# KiCad board MissionOrderFile.kicad_pcb (continued)
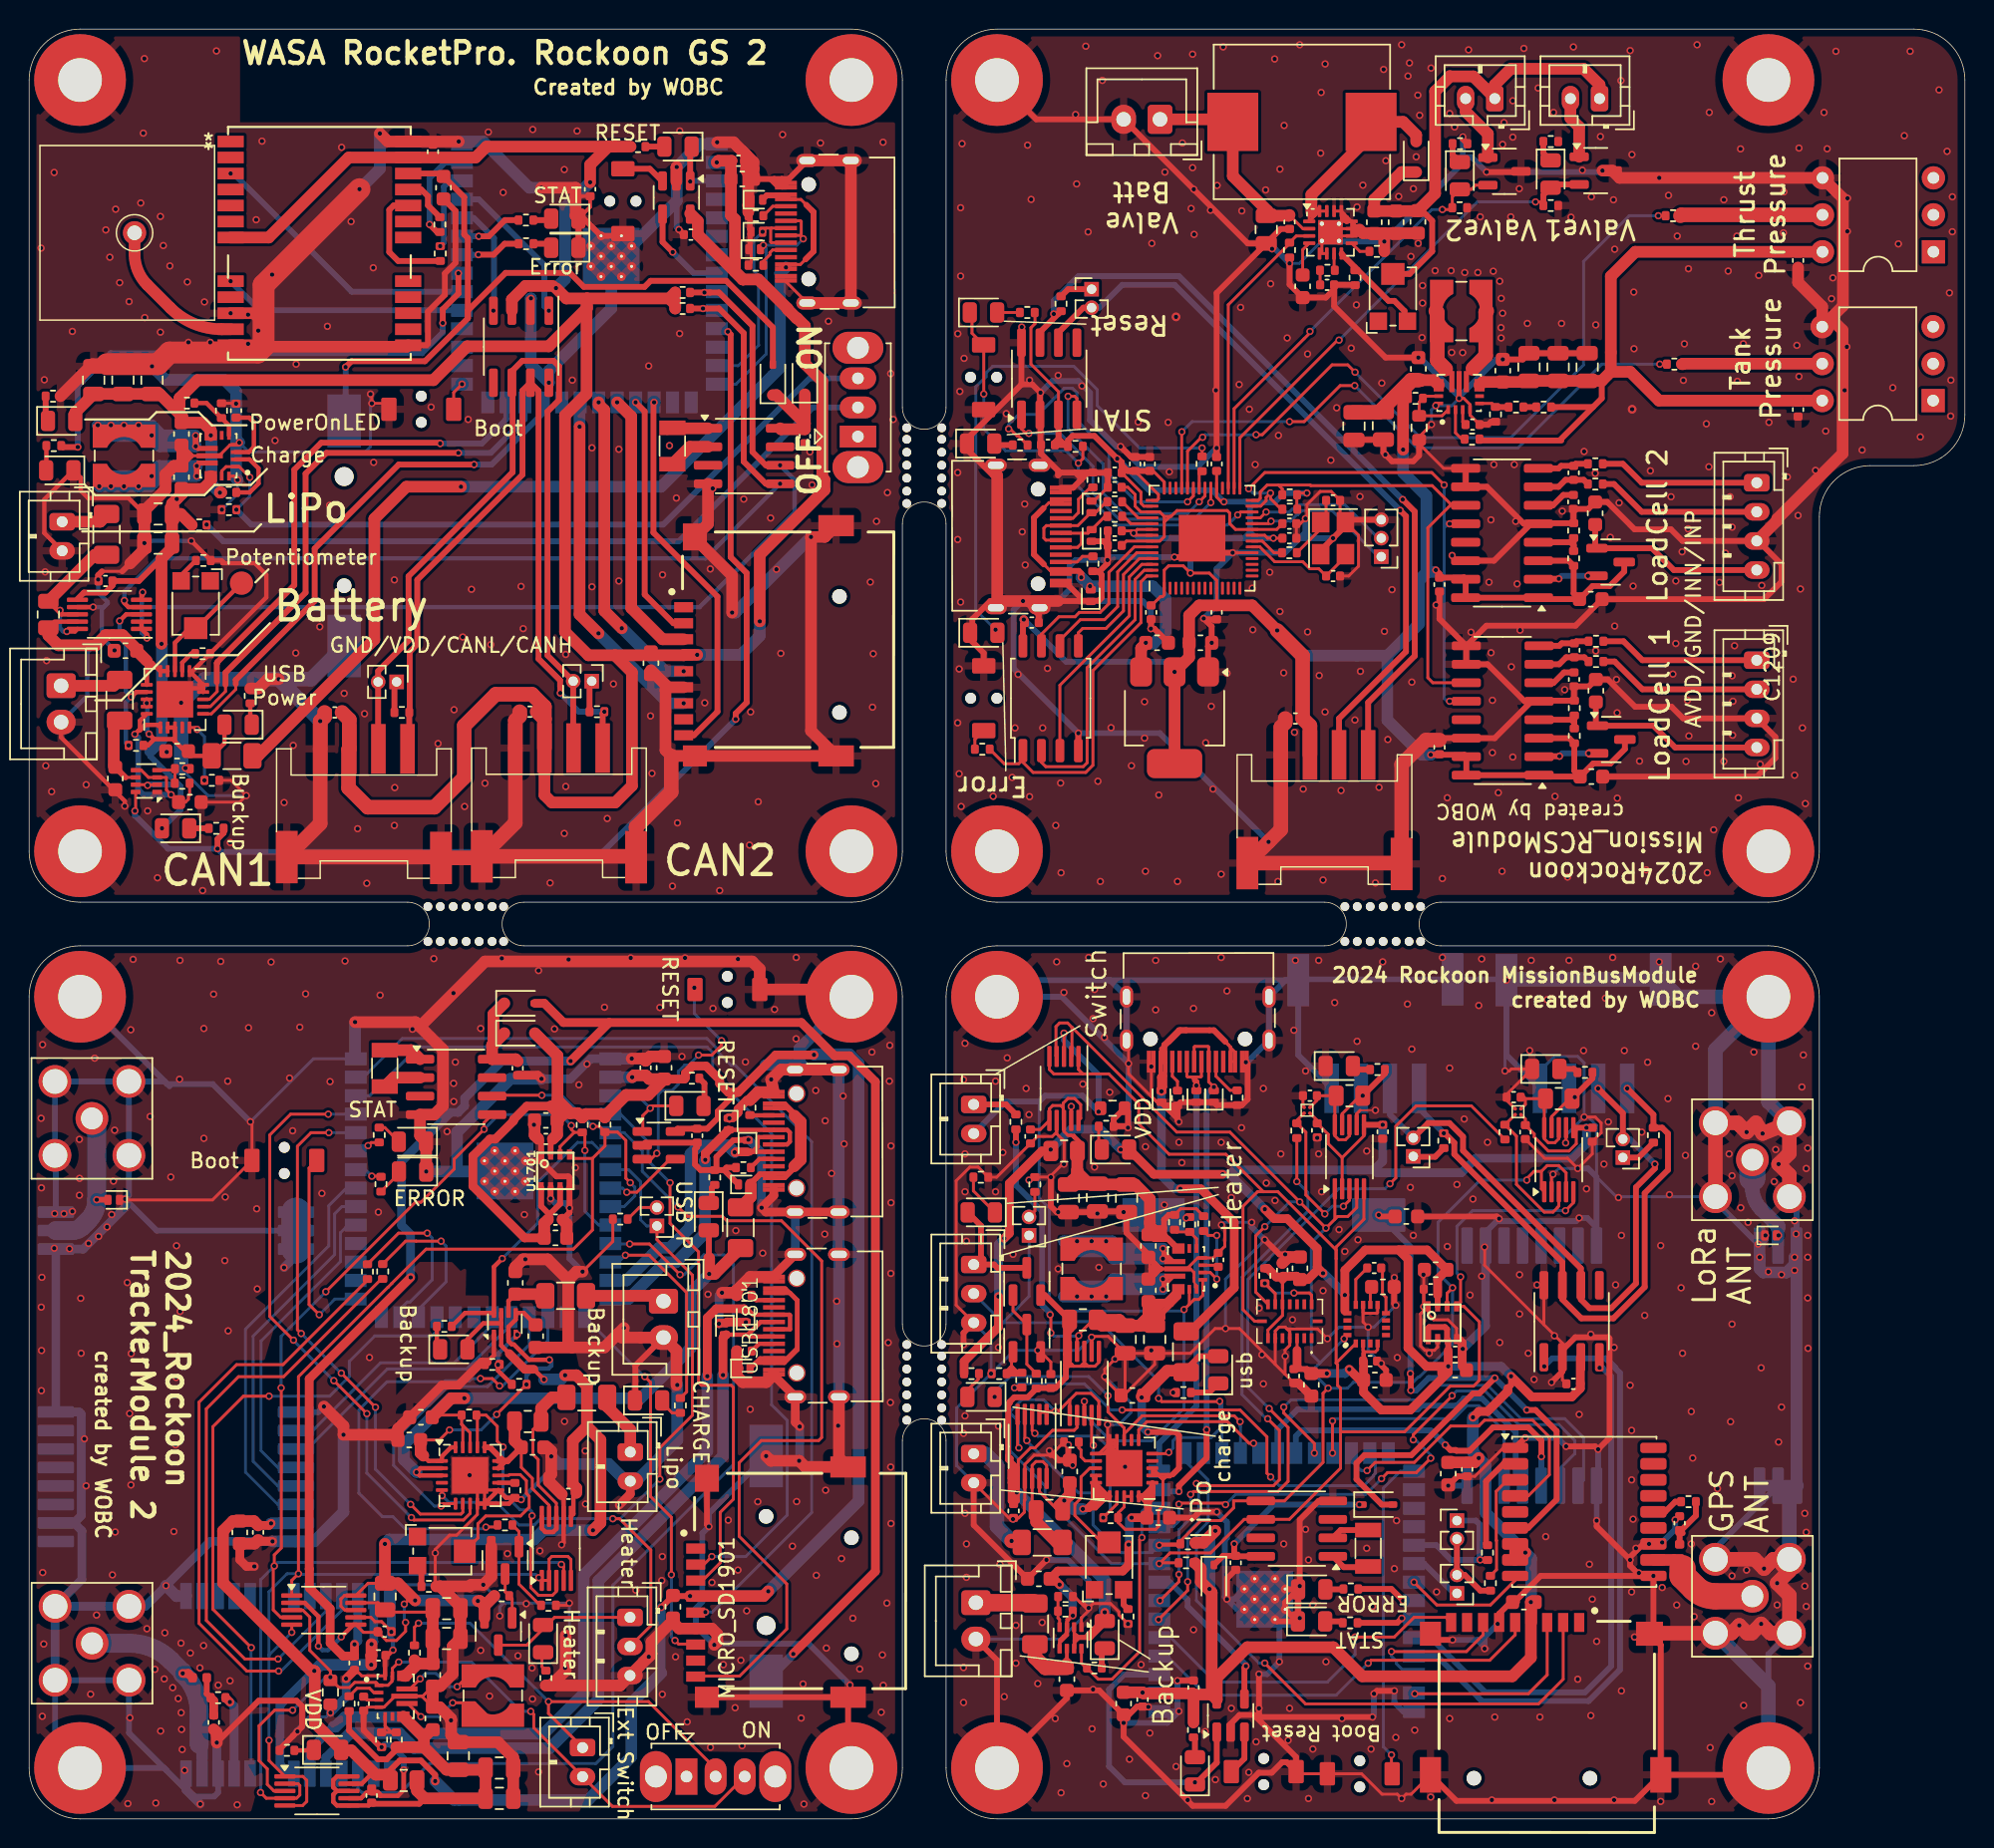
[diagram p0: board, top side]
## Routing (per net, layer and track width the routed paths; a pad name or vN(x,y) marks a point on that pad's centre or on a via; arc(x,y) is an arc through that point) (continued)
Net-(J2804-Pin_2): length 1.9
  Top w0.2: R2815.1 69.1,41.77 J2804.2
Net-(J2805-Pin_1): length 8.3
  Top w1: v1(67.5,19.1) 68.1,19.1 F2803.2
  Bottom w1: v1(67.5,19.1) 66.5,20.1 66.5,24.3 65.7,25.1 J2805.1
Net-(LED601-A): length 12.5
  Top w0.3: 10.02,74.06 11.02,73.06 F601.2 13.42,73.93 LED601.2 ; 10.02,74.06 9.87,74.2 8.59,74.2 ; 10.02,74.06 U601.3 U601.2 ; 8.59,74.2 v1(8.24,74.56) ; 8.59,74.2 8.16,73.78 R606.1 ; U601.18 v1(8.08,76.68) U601.19
  Bottom w0.3: v1(8.24,74.56) 8.12,74.68 8.12,76.64 v1(8.08,76.68)
Net-(LED601-K): length 1.7
  Top w0.3: LED601.1 15.2,75.3 R601.1 15.2,76.48
Net-(LED602-A): length 41
  Top w0.2: 8.15,71.08 8.15,71.03 v1(8.14,71.03) ; 8.15,71.08 U602.7 ; 8.15,71.08 U602.2
  Top w0.4: 3.32,83.83 3.77,84.28 5.23,84.28 5.73,84.77 C608.1 7.55,85.08 9.09,86.62
  Top w0.8: C605.1 C604.1 9.82,87.35 9.09,86.62 v1(9.09,80.75) ; C605.1 10.42,89.68 R609.1 ; C605.1 9.82,90.38 v1(10.15,90.7) 10.52,91.08 10.52,91.43 ; 10.61,91.43 10.52,91.43 ; 10.52,91.43 10.55,91.4 11.95,91.4 12.48,91.93 U603.12_13
  Bottom w0.4: 10.41,70.94 10.26,71.09 8.2,71.09 v1(8.14,71.03) ; 10.41,70.94 8.31,73.03 8.31,73.38 ; 10.41,70.94 10.41,69.36 v1(9.13,68.08)
  Bottom w0.8: 8.31,73.38 9.12,74.19 9.12,80.72 v1(9.09,80.75)
Net-(LED602-K): length 1.3
  Top w0.4: LED602.1 R608.1
Net-(LED603-A): length 1.7
  Top w0.3: LED603.2 1.18,92.69 R610.1
Net-(LED604-K): length 1.8
  Top w0.4: LED604.1 1.14,96.23 1.14,97.78
Net-(LED1601-A): length 48.8
  Top w0.2: U1601.18 30.3,26.54 29.72,27.12 ; C1601.1 27.84,27.75 R1605.1 29.72,27.12 ; 29.72,27.12 29.8,27.04 U1601.19
  Top w0.3: U1601.2 26.9,24.1 v1(26.62,23.82) 26.84,23.6 U1601.3
  Top w0.4: 46.7,40.46 46.7,38.55 46.72,38.53
  Top w0.8: C1601.1 29.01,28.91 v1(29.91,28.91) ; 46.72,38.53 v1(46.72,37.45) 47.09,37.45 F1601.2
  Bottom w0.8: v1(46.72,37.45) 45.44,36.17 45.44,32.34 42.02,28.91 v1(29.91,28.91) 28.95,28.91 25.74,25.71 25.74,24.69 v1(26.62,23.82)
Net-(LED1601-K): length 1.2
  Top w0.4: 46.91,42.46 46.91,43.38 R1601.1
Net-(LED1602-A): length 1.5
  Top w0.2: 43.53,28.55 44.18,27.9 R1602.1
Net-(LED1603-K): length 1.7
  Top w0.3: R1609.1 28.02,32.5 LED1603.1
Net-(LED1604-K): length 1.3
  Top w0.2: R1612.2 35.23,10.46 35.23,11.41
Net-(LED1605-K): length 1.2
  Top w0.3: 19.45,4.71 R1622.1
Net-(LED2401-A): length 1.3
  Top w0.4: R2403.1 91.19,51.5 LED2401.2
Net-(LED2701-A): length 1.3
  Top w0.4: R2703.1 106.15,51.54 LED2701.2
Net-(LED2801-A): length 27.7
  Top w0.2: U2801.19 U2801.18 75.24,21.44 74.82,21.02 74.82,20.38 75.3,19.9 77.4,19.9 77.6,20.1 77.6,21.2 77.9,21.5 77.9,23.3 ; 78.1,23.5 77.9,23.3 ; 78.1,23.5 78.4,23.5 78.57,23.67 77.6,23.67 ; 78.1,23.5 77.7,23.5 77.6,23.6 ; 77.9,23.3 77.6,23.6 ; 77.6,23.6 77.6,23.67 ; 77.6,23.6 U2801.2 ; 77.44,23.84 U2801.3 U2801.2 ; 77.44,23.84 77.41,23.84 U2801.2 ; 77.44,23.84 77.6,23.67
  Top w0.4: LED2801.2 80.4,31.8 79.4,30.8 ; 78.57,23.67 79,24.1 79,26.36 78.77,26.59 v1(76.87,26.59) ; 76.44,29.04 v1(76.44,28.96)
  Top w0.8: 76.44,29.04 78.2,30.8 79.4,30.8
  Bottom w0.6: v1(76.87,26.59) 76.44,27.02 v1(76.44,28.96)
Net-(LED2801-K): length 2.1
  Top w0.4: LED2801.1 81.08,29.3 R2801.1
Net-(LED2802-A): length 1.9
  Top w0.2: 65.21,30.6 65.21,30.21 64.46,29.46 LED2802.2
Net-(LED2803-K): length 1.4
  Top w0.4: R2809.1 73.7,11.53 LED2803.1
Net-(LED2804-K): length 3
  Top w0.2: R2812.2 64.88,43.16 LED2804.1
Net-(LED2805-K): length 1.8
  Top w0.2: R2822.1 73.49,46.21 LED2805.1 73.8,46
Net-(Q1301-B): length 4.1
  Top w0.4: Q1301.2 v1(107.15,73.23) ; U1301.2 103.78,73.03 v1(105.15,73.03)
  Bottom w0.4: v1(105.15,73.03) 105.34,73.23 v1(107.15,73.23)
Net-(Q1401-B): length 4.1
  Top w0.4: v1(105.1,85.22) 103.73,85.22 U1401.2 ; Q1401.2 v1(107.1,85.42)
  Bottom w0.4: v1(105.1,85.22) 105.3,85.42 v1(107.1,85.42)
Net-(Q1601-B): length 6.4
  Top w0.2: R1610.1 35.11,14.68 33.66,16.14 Q1601.1 33.66,19.75 R1608.1
Net-(Q1601-C): length 3.2
  Top w0.2: Q1601.3 32.7,15.61 R1611.2 33.19,15.13 Q1602.1
Net-(Q2801-B): length 3.7
  Top w0.2: Q2801.1 67.5,32 67.5,30.99
  Top w0.4: 67.5,30.99 67.11,30.6 68.19,30.6 68.2,30.61 67.88,30.61 67.5,30.99
Net-(Q2801-C): length 6.1
  Top w0.2: Q2802.1 67.6,34.92 Q2801.3 68.55,31.25 R2811.2
Net-(R602-Pad1): length 1.8
  Top w0.3: R602.1 10.45,85.47 RV601.3
Net-(R905-Pad2): length 1.5
  Top w0.2: R905.2 64.98,74.18 SW902.2
Net-(R1205-Pad2): length 0.9
  Top w0.4: R1206.1 R1205.2
Net-(R1603-Pad1): length 1.5
  Top w0.4: RV1601.3 26.95,17.13 R1603.1
Net-(R2803-Pad1): length 1.5
  Top w0.4: R2803.1 75.2,14.72 RV2801.3
Net-(SW601-B): length 49
  Bottom w0.4: v1(12.2,88.95) 13.34,87.8 44.64,87.8 53.84,97 SW601.2
Net-(SW601-C): length 52.6
  Top w0.2: v1(15.16,92.2) 14.43,92.93 U603.1 13.53,92.93 13.23,92.63 U603.14
  Bottom w0.2: v1(14.24,89.97) 15.16,90.9 v1(15.16,92.2)
  Bottom w0.4: v1(14.24,89.97) 15.27,88.95 43.57,88.95 53.62,99 SW601.3
Net-(U201-MR): length 3.1
  Top w0.4: 43.52,112.53 42.64,113.4 SW201.1
Net-(U203-GPIO0/BOOT): length 2
  Top w0.2: v1(29.74,98.6) 29.17,98.03 SW202.1
Net-(U203-MTDI/GPIO41/CLK_OUT1): length 4.2
  Top w0.4: v1(30.87,107.5) 31.92,107.5 32.67,108.25 R204.1
  Bottom w0.4: v1(30.87,107.5) 30.86,107.49 29.74,107.49
Net-(U203-MTMS/GPIO42): length 4.3
  Top w0.4: v1(30.9,108.76) 31.58,108.76 32.7,109.88 33.62,109.88
  Bottom w0.4: v1(30.9,108.76) 29.74,108.76
Net-(U301-RXD_/_SPI_MOSI): length 3.3
  Top w0.4: 26.05,111.97 26.95,111.97 27.4,111.52 27.4,110.89 28.22,110.08
Net-(U301-TXD_/_SPI_MISO): length 8.1
  Top w0.4: U301.20 25.05,110.88 24.74,110.58 24.74,107.67 25.35,107.06 28.24,107.06
Net-(U601-CE): length 12
  Top w0.3: U604.3 6.67,82.78 v1(6.22,82.33) ; U601.17 7.36,77.44 v1(7.02,77.11)
  Bottom w0.3: v1(6.22,82.33) 6.22,81.13 6.65,80.7 6.65,77.48 v1(7.02,77.11) 6.65,76.73 6.65,73.97 v1(6.84,73.78)
Net-(U601-PROG1): length 8.2
  Top w0.3: NOREF#42.1 11.5,81.83 11.02,81.83 10.02,80.83 U601.13
Net-(U601-PROG3): length 1.7
  Top w0.3: R603.1 11.14,80.08 10.52,79.46 U601.12
Net-(U601-THERM): length 4.3
  Top w0.2: v1(11.55,74.88) 11.41,75 U601.5
  Bottom w0.2: v1(11.55,74.88) 12.05,74.38 v1(12.05,71.38)
Net-(U601-V_{BAT_SENSE}): length 16.3
  Top w0.3: 8.28,79.22 8.48,79.42 ; 8.28,79.22 8.08,79.02 U601.16 8.08,79.59 8.31,79.59 8.48,79.42 ; 8.28,79.22 8.68,79.22 8.95,78.95 ; 8.48,79.42 8.95,78.95 ; 8.95,78.95 U601.15 U601.14 ; U604.9 1.75,82.28 ; 5.07,81.56 5.27,81.36
  Top w0.8: 8.08,79.59 7.4,80.28 7.4,80.38 6.42,81.36 5.27,81.36 4.57,80.66 2.01,80.66 1.32,81.34 R612.1
Net-(U602-MODE): length 16
  Top w0.2: R607.1 11.03,70.36 10.95,70.28 10.95,70.08 10.74,69.88 C603.1 v1(9.76,70.39) 9.44,70.71 9.44,71.55 9.41,71.58 U602.3 8.2,71.58 7.7,72.08 U602.5
  Top w0.3: 7.62,74.82 7.54,74.82 v1(7.26,74.54) ; 7.62,74.82 7.98,75.19 8.84,75.19 U601.1 ; 7.62,74.82 7.62,75.47 U601.20
  Bottom w0.4: v1(9.76,70.39) 9.75,70.38 7.87,70.38 7.49,70.76 7.49,74.32 v1(7.26,74.54)
Net-(U602-PR1): length 2.3
  Top w0.2: R607.2 10.02,71.19 R605.2 9.92,72.08 U602.4
Net-(U602-VIN2): length 5.3
  Top w0.2: U602.6 6.62,71.58 ; 5.81,72.34 5.81,72.01
  Top w0.4: 6.62,71.58 C602.1
  Top w0.8: 5.81,72.34 5.81,75.07 F602.2
Net-(U603-FB): length 3.7
  Top w0.3: R615.1 12.19,97.3 R614.2 13.73,95.76 U603.5
Net-(U603-L1): length 19.4
  Top w0.2: 11.52,93.08 11.62,93.18 U603.11 11.72,93.18 v1(11.52,92.98)
  Top w0.4: v1(11.52,92.98) v1(11.52,92.28)
  Bottom w0.8: v1(7.52,91.58) 8.32,91.58 9.02,92.28 ; v1(7.52,91.58) v1(4.82,91.58) 5.52,92.28 v1(8.42,92.28) 9.02,92.28 ; v1(7.52,91.58) 8.92,92.98 v1(11.52,92.98) 10.82,92.28 10.72,92.28 ; 9.02,92.28 10.72,92.28 ; v1(11.52,92.28) 10.72,92.28
  vias: v1(5.62,91.58) v1(6.52,91.58)
Net-(U603-L2): length 19.1
  Top w0.2: v1(11.44,94.33) 11.59,94.18 U603.9
  Top w0.4: v1(11.44,94.33) v1(11.44,95.06)
  Bottom w0.8: v1(7.52,95.78) 8.42,95.78 9.17,95.03 8.47,95.03 v1(8.42,95.08) 8.37,95.03 5.47,95.03 v1(4.72,95.78) v1(6.52,95.78) v1(7.52,95.78) ; v1(7.52,95.78) 8.97,94.33 v1(11.44,94.33) 11.42,94.33 11.3,94.45 ; 10.72,95.08 9.17,95.08 ; 10.72,95.08 11.41,95.08 ; 10.72,95.08 11.42,94.38
  vias: v1(5.62,95.78)
Net-(U603-PG): length 4.7
  Top w0.3: U603.2 15.15,93.43 15.76,92.81 15.76,91.77 15.15,91.16 R613.2
Net-(U603-VAUX): length 4.5
  Top w0.3: U603.3 15.09,93.93 15.45,94.28 15.45,95.98 15.12,96.3 C609.1
Net-(U604-Vbus): length 10.6
  Top w0.3: 2.22,82.78 R612.2 ; 2.22,82.78 U604.8 ; 2.22,82.78 2.12,82.88 v1(2.12,83.06) ; U604.10 3.15,81.61 v1(2.59,81.61)
  Top w0.8: F603.1 4.52,86.88 R612.2
  Bottom w0.3: v1(2.59,81.61) 2.34,81.61 2.12,81.83 v1(2.12,83.06)
Net-(U701-OSCI): length 2.5
  Top w0.8: Y701.1 44.23,95.56 46.64,95.56 ; 43.81,95.55 43.84,95.52
Net-(U701-OSCO): length 2.9
  Top w0.8: Y701.2 45.39,94.3 46.64,94.3
Net-(U902-CLK): length 10.6
  Top w0.2: U902.6 70.82,81.01 72.22,82.42 73.89,82.42 74.79,83.31 74.79,85.7 76.1,87.02 U903.52
Net-(U902-DI(IO0)): length 9.5
  Top w0.2: U903.53 76.29,86.61 75.19,85.52 75.19,83.02 73.99,81.81 72.39,81.81 72.09,81.52 U902.5
Net-(U902-DO(IO1)): length 19.6
  Top w0.2: U903.55 76.62,85.81 75.99,85.18 75.99,82.42 72.69,79.11 72.69,72.58 72.43,72.31 69.85,72.31 69.55,72.61 U902.2
Net-(U902-IO2): length 15.8
  Top w0.2: U903.54 76.45,86.22 75.59,85.35 75.59,82.68 70.82,77.91 U902.3
Net-(U902-IO3): length 12.2
  Top w0.2: U902.7 69.55,81.42 70.75,82.61 71.86,82.61 72.16,82.92 73.59,82.92 74.19,83.52 74.19,85.67 75.94,87.42 U903.51
Net-(U902-~{CS}): length 24.4
  Top w0.2: U903.56 76.79,85.42 76.39,85.02 76.39,82.22 73.09,78.92 73.09,72.41 72.59,71.92 68.98,71.92 68.28,72.61 U902.1 68.28,72.81 67.99,72.52 67,72.52 R905.1
Net-(U903-GPIO24): length 1.2
  Top w0.2: R912.1 80.39,92.41 U903.36
Net-(U903-GPIO25): length 21.7
  Top w0.2: 68.59,94.41 R910.1 67.98,95.03 67.89,95.03 67.4,95.53 v1(67.3,95.53) ; v1(79.59,90.52) 79.99,90.91 U903.37
  Bottom w0.2: v1(67.3,95.53) 67.3,95.83 67.99,96.52 69.31,96.52 71.11,98.31 71.69,98.31 71.99,98.02 71.99,96.12 74.19,93.91 74.19,92.41 76.09,90.52 v1(79.59,90.52)
Net-(U903-USB_DM): length 2.5
  Top w0.2: R907.2 76.2,89.41 U903.46
Net-(U903-USB_DP): length 2.4
  Top w0.2: 75.1,89.41 R906.2 75.19,89.52 75.69,89.02 U903.47
Net-(U903-VREG_VOUT): length 18.8
  Top w0.2: C907.2 75.49,91.52 75.99,91.02 75.99,90.22 76.39,89.81 U903.45 77.68,89.81 77.99,89.51 ; 77.99,89.12 77.99,89.51 ; 77.99,89.12 77.99,88.12 77.68,87.81 U903.50 75.39,87.81 75.09,87.52 C905.1 ; 77.99,89.12 78.38,89.51 ; 77.99,89.51 78.38,89.51 ; 78.38,89.51 78.46,89.51 78.87,89.91 82.31,89.91 82.49,89.74 82.49,89.02 82.89,88.61 U903.23 85.72,88.61 86.11,89
Net-(U903-XIN): length 8.5
  Top w0.2: U903.20 84.56,87.42 85.58,86.39 87.51,86.39 87.99,85.92 88.61,85.92 C903.2 90.44,86.75 Y901.3 90.07,86.55
Net-(U903-XOUT): length 2.4
  Top w0.2: R908.2 85.53,87.02 84.73,87.81 U903.21
Net-(U1101-COMP): length 1.2
  Top w0.2: R1103.1 89.66,106.47 U1101.7
Net-(U1101-FB): length 6.8
  Top w0.4: 90.19,107.58 90.19,107.54 91.1,106.62 R1105.1 91.3,106.42 93.4,104.33 93.8,104.33 94.5,103.62 94.5,102.92
Net-(U1101-FREQ): length 1.5
  Top w0.2: U1101.9 91.43,107.72 R1102.1
Net-(U1101-SS): length 2.4
  Top w0.2: C1101.1 87.5,107.83 U1101.4
Net-(U1201-EN): length 4.6
  Top w0.2: U1201.14 95.91,97.78 R1201.1 95.5,97.37 95.5,96.42 97.08,96.42 U1201.1
Net-(U1201-FB): length 2.1
  Top w0.2: U1201.5 100.51,97.28 R1204.2
  Top w0.4: R1205.1 100.76,97.03 R1204.2
Net-(U1201-L1): length 6.2
  Top w0.2: 96.96,99.97 97.75,99.18 U1201.11
  Top w1: 97.33,99.65 96.75,100.22 96.75,103.53 L1201.1 ; 97.28,99.65 96.96,99.97
Net-(U1201-L2): length 5.4
  Top w0.2: 99.2,99.67 98.75,99.22 U1201.9
  Top w1: L1201.2 100.07,103.55 100.07,100.55 99.2,99.67
Net-(U1201-PG): length 2.2
  Top w0.2: 98.43,94.83 98,95.25 U1201.2
Net-(U1201-VAUX): length 1.1
  Top w0.2: C1204.1 98.5,96.02 U1201.3
Net-(U1201-VOUT): length 60.2
  Top w0.4: 105.28,94.73 99.68,94.73 ; 107.45,97.03 108.05,97.62 108.05,98.83 ; 107.45,97.03 R1206.2 ; 107.45,97.03 105.25,94.83
  Top w0.8: U1201.7_8 99.88,98.75 102.88,98.75 102.95,98.83 108.05,98.83 108.68,99.45 ; 108.68,99.45 110,99.45 111.99,97.47 U1203.4 ; 108.68,99.45 108.68,106.01 110.36,107.69 U1202.4
Net-(U1202-VOUT): length 9.8
  Top w1: U1202.5 113.52,110.23 R1207.1
Net-(U1203-VOUT): length 9.7
  Top w0.8: U1203.5 113.65,100.01 113.61,99.97 R1208.1
Net-(U1301-INA+): length 3.5
  Top w0.4: R1301.2 106.31,80.93 C1302.1 105.31,80.79 105.13,80.62 U1301.8
Net-(U1301-INA-): length 3.7
  Top w0.4: U1301.7 105.12,79.35 105.6,79.83 C1302.2 106.85,79.83 R1302.2
Net-(U1301-VBG): length 2.7
  Top w0.4: C1303.1 105.45,78.79 104.74,78.08 U1301.6
Net-(U1301-VFB): length 3.8
  Top w0.4: U1301.4 105.96,75.54 106.16,75.33 R1303.2 R1304.1
Net-(U1401-INA+): length 3.5
  Top w0.4: R1401.2 106.26,93.12 C1402.1 105.26,92.98 105.09,92.81 U1401.8
Net-(U1401-INA-): length 3.7
  Top w0.4: R1402.2 106.81,92.03 105.56,92.03 105.08,91.55 U1401.7
Net-(U1401-VBG): length 2.7
  Top w0.4: C1403.1 105.41,90.98 104.7,90.28 U1401.6
Net-(U1401-VFB): length 3.8
  Top w0.4: U1401.4 105.91,87.73 106.12,87.53 R1403.2 106.12,88.03
Net-(U1601-CE): length 19.4
  Top w0.2: v1(32.56,25.56) 32.16,25.95 32.16,26.98 31.4,27.75 R1605.2 30.8,27.69 U1601.17 ; v1(34.55,20.83) 34.47,20.75 34.47,15.89 34.99,15.37 35.96,15.37 36.22,15.63 U1604.3
  Bottom w0.2: v1(32.56,25.56) 32.56,22.41 33.73,21.24 34.42,21.24 34.55,21.11 v1(34.55,20.83)
Net-(U1601-PROG3): length 1.1
  Top w0.3: R1604.1 33.37,23.1 U1601.12
Net-(U1601-V_{BAT_SENSE}): length 12.3
  Top w0.2: U1604.9 35.72,21.55 34.58,22.7 34.58,23.4 33.81,24.16 C1606.1
  Top w0.3: 33.83,25.52 C1606.1
  Top w0.35: 32.88,24.6 32.73,24.6 U1601.14
  Top w0.4: 32.88,24.6 C1606.1 ; 32.88,24.6 32.6,24.6 31.66,25.54 31.32,25.54 ; 32.88,24.6 U1601.15
  Top w0.8: R1617.1 33.35,26 C1606.1
Net-(U1602-MODE): length 23.2
  Top w0.2: v1(32.12,27.8) 32.12,27.81 v1(34.17,29.85) ; 26.9,26.04 28.2,26.04 v1(28.88,26.73)
  Top w0.3: v1(35.75,31.55) 34.36,31.55 33.31,32.61 33.17,32.61 32.94,32.84 U1602.3 32.94,33.82 33.44,34.32 U1602.5 33.98,34.77 C1603.1 ; 27.09,24.96 27.45,24.6 U1601.1 28.36,24.91 28.98,25.54 U1601.20
  Top w0.8: 26.9,26.04 26.9,25.15 27.09,24.96
  Bottom w0.2: v1(28.88,26.73) 31.05,26.73 v1(32.12,27.8)
  Bottom w0.3: v1(35.75,31.55) 35.88,31.42 35.88,31.14 35.69,30.95 34.63,30.95 34.17,30.48 v1(34.17,29.85)
Net-(U1602-PR1): length 4.7
  Top w0.2: 32.49,31.4 32.3,31.21 v1(32.22,31.21)
  Top w0.3: R1607.2 32.22,30.81 v1(32.22,31.21)
  Bottom w0.3: v1(32.22,31.21) 32.22,31.96 v1(33.53,33.28)
Net-(U1602-VIN2): length 3.9
  Top w0.3: C1602.1 32.94,35.59 U1602.6
  Top w0.8: 33.57,36.06 35.36,36.06 35.47,35.95 35.16,35.63
Net-(U1603-Vin-): length 12.1
  Top w0.2: U1603.9 23.98,14.85 R1613.2 24.61,14.21 27.5,14.21 C1607.1
  Top w0.8: 26.71,10.68 25.87,9.83 U1605.12_13 ; 26.71,10.68 C1610.1 C1608.1 C1607.1 ; 26.71,10.68 R1614.2
Net-(U1604-Vbus): length 14.1
  Top w0.2: U1604.8 36.22,21.69 34.97,22.94 34.97,24.7 34.61,25.06 34.61,26.75 R1617.2
  Top w0.3: 36.22,19.96 U1604.8 36.22,19.93 36.01,19.72 35.47,19.72 35.22,19.96 U1604.10
  Top w0.8: 36.92,28.97 35.92,28.97 35.17,28.22 R1617.2
Net-(U1605-FB): length 3.8
  Top w0.2: R1620.1 24.91,5.95 24.46,6.4 U1605.5 24.46,6.19 R1619.2 R1620.1
Net-(U1605-L1): length 7.2
  Top w0.2: v1(29.41,9.09) 30.55,10.22 L1601.1 ; v1(26.86,9.63) 26.17,8.93 U1605.11
  Bottom w0.2: v1(26.86,9.63) 27.24,10 27.95,10 28.86,9.09 v1(29.41,9.09)
Net-(U1605-L2): length 7.2
  Top w0.2: v1(29.11,7.98) 30.6,7.98 L1601.2 ; U1605.9 26.01,7.93 v1(26.92,7.03)
  Bottom w0.2: v1(29.11,7.98) 28.15,7.03 v1(26.92,7.03)
Net-(U1605-PG): length 2.4
  Top w0.2: U1605.2 23.69,8.68 23.39,8.98 22.53,8.98 R1618.2
Net-(U1605-VAUX): length 1.1
  Top w0.2: U1605.3 23.2,8.18 C1611.1
Net-(U1801-RXD_/_SPI_MOSI): length 44.2
  Top w0.2: 23.24,37.03 23.24,37.02 17.45,31.22 14.26,31.22 11.67,28.64 11.67,13.44 14.95,10.16 v1(17.15,10.16)
  Top w0.3: 23.24,37.03 R1804.2
  Bottom w0.2: U1801.21 21.48,14.34 17.31,10.16 v1(17.15,10.16)
Net-(U1801-TXD_/_SPI_MISO): length 42.1
  Top w0.2: R1805.2 24.2,37.11 17.48,30.39 14.38,30.39 12.17,28.18 12.17,13.64 14.83,10.99 v1(17.1,10.99)
  Bottom w0.2: v1(17.1,10.99) 20.38,14.27 20.38,15.31
Net-(U1901-OSCI): length 2.7
  Top w0.8: U1901.1 26.24,52.83 Y1901.1
Net-(U1901-OSCO): length 2.7
  Top w0.8: U1901.2 25.05,50.94 Y1901.2
Net-(U2101-MR): length 16.2
  Top w0.2: v1(43.12,45.74) 42.72,45.34 42.17,45.34 ; v1(47.58,53.48) 47.58,53.16 46.91,52.49 v1(46,52.49)
  Bottom w0.2: v1(47.58,53.48) 45.7,55.35 v1(45.7,57.12) ; v1(43.12,45.74) 43.22,45.84 43.22,49.8 43.48,50.06 44.17,50.06 44.61,50.49 44.61,51.37 45.05,51.81 45.31,51.81 v1(46,52.49)
Net-(U2102-GPIO0/BOOT): length 14.1
  Top w0.2: v1(19.94,34.65) 19.24,35.35 19.24,44.73 SW2102.1
  Bottom w0.2: v1(19.94,34.65) 21.02,35.73 U2102.27
Net-(U2102-MTDI/GPIO41/CLK_OUT1): length 1.9
  Top w0.2: v1(23.55,44.17) 24.1,44.17 24.12,44.16
  Bottom w0.2: v1(23.55,44.17) 23.09,44.62 U2102.34
Net-(U2102-MTMS/GPIO42): length 1.9
  Top w0.2: v1(23.29,46.27) 23.5,46.48 24.09,46.48
  Bottom w0.2: U2102.35 22.82,46.27 v1(23.29,46.27)
Net-(U2301-MR): length 3.1
  Top w0.4: 83.5,6 83.5,4.15 SW2301.1
Net-(U2303-GPIO0/BOOT): length 22.5
  Top w0.2: SW2302.1 93.6,3.15 v1(93.6,4.4)
  Bottom w0.2: v1(93.6,4.4) 93.05,4.95 93.05,22.74 94.2,23.89 U2303.27
Net-(U2303-MTDI/GPIO41/CLK_OUT1): length 4.2
  Top w0.4: R2304.1 93.6,15.8 v1(94.4,15)
  Bottom w0.4: v1(94.4,15) U2303.34
Net-(U2303-MTMS/GPIO42): length 4.1
  Top w0.4: v1(94.31,13.79) 94,13.47 R2306.1
  Bottom w0.4: U2303.35 95.12,13.7 94.4,13.7 v1(94.31,13.79)
Net-(U2401-CONTROL): length 10.8
  Top w0.2: U2402.3 90.71,42.51 v1(90.3,42.1) ; v1(89.02,41.58) 87.72,42.88 87.72,47.19 R2401.2 87.1,48 87.58,48.47
  Bottom w0.2: v1(90.3,42.1) 89.54,42.1 v1(89.02,41.58)
Net-(U2401-VOUT): length 7.1
  Top w0.2: 88.03,48.92 88.48,49.38 C2402.2 R2402.1 89.71,49.61 U2402.10 89.71,46.94 89.98,46.67 90.44,46.67 90.71,46.94 U2402.8
Net-(U2501-OSCI): length 2.8
  Top w0.4: 89.58,18.04 90.32,17.3 91.95,17.3 Y2501.1
Net-(U2501-OSCO): length 2.6
  Top w0.4: Y2501.2 90.11,19.85 89.58,19.31
Net-(U2601-RXD): length 7.6
  Top w0.2: U2601.3 101.59,23.3 100.8,22.51 100.8,19.15 100.82,19.13 100.82,17.13 R2601.1
Net-(U2601-TXD): length 6.9
  Top w0.4: R2602.1 100.1,18.91 100.1,23.2 101.3,24.4 U2601.2
Net-(U2601-VCC_RF): length 2.2
  Top w0.4: U2601.14 112.4,21.1 113.1,21.8 R2603.1
Net-(U2701-CONTROL): length 10.2
  Top w0.2: 102.07,48.38 101.41,47.71 R2701.2 102.19,46.92 102.19,43.61 104.1,41.7 104.7,41.7 105.01,42.01 105.01,42.03 105.1,42.12 U2702.3
Net-(U2701-VOUT): length 7.7
  Top w0.2: U2702.8 105.1,46.74 104.83,46.47 104.37,46.47 104.1,46.74 U2702.10 104.1,49.41 R2702.1 102.58,49.5 C2702.2 102.7,49.6 102.8,49.5 102.8,49.1 102.53,48.83
Net-(U2801-CE): length 13.9
  Top w0.2: U2801.17 74.74,21.64 v1(73.8,20.7) ; 68.91,27.94 68.91,26.69 v1(69.1,26.5)
  Bottom w0.2: v1(69.1,26.5) 69.3,26.3 73.4,26.3 74.28,25.42 74.28,21.18 v1(73.8,20.7)
Net-(U2801-PROG3): length 2.2
  Top w0.2: R2804.1 72.12,25.5 72.28,25.35 72.28,24.88 72.56,24.6 U2801.12
Net-(U2801-V_{BAT_SENSE}): length 19.1
  Top w0.2: U2801.14 73.14,23.44 73.14,22.94 U2801.15 ; U2801.14 73.3,22.4 73.69,22.01 ; U2801.14 U2801.15 ; U2801.15 U2801.16 74.16,22.16 73.3,21.3 v1(72.4,21.3) ; 69.41,23.54 69.41,22.49 70.6,21.3
  Top w0.4: 73.14,21.59 72.85,21.3 v1(72.4,21.3) 72.6,21.3 73.46,22.16 73.86,22.16 ; 73.14,21.59 73.14,22.94 ; 73.14,21.59 73.26,21.59 73.69,22.01 ; 73.86,22.16 73.3,22.72 U2801.15 ; 73.86,22.16 74.21,22.16
  Top w0.8: C2806.1 71.5,22.26 v1(71.12,21.88) 70.77,21.53
  Bottom w0.8: v1(72.4,21.3) 71.7,21.3 v1(71.12,21.88)
Net-(U2802-MODE): length 27
  Top w0.2: v1(71.71,13.97) 71.81,14.07 71.81,14.28 ; v1(71.71,13.97) 71.55,13.97 71.3,13.73 U2802.3 ; v1(71.71,13.97) 71.37,13.63 ; U2802.3 71.3,13.56 71.37,13.63 ; U2802.3 71.3,12.9 71.25,12.85 71.25,12.75 71.05,12.54 71.05,12.54 70.8,12.3 U2802.5 70.8,12.08 71.35,12.63 71.35,13.61 71.37,13.63
  Top w0.4: 77.17,22.8 77.17,22.4 76.94,22.16 ; 77.17,22.8 76.54,22.16 76.4,22.16 ; 77.17,22.8 77.17,23.07 ; 77.17,22.8 77.17,22.05 76.8,21.68 ; 77.17,22.8 77.17,22.53 ; 76.94,22.16 76.4,22.16 ; 76.94,22.16 76.94,20.84 C2805.1 76.8,21.68 ; 76.4,22.16 76.26,22.16 ; 76.4,22.16 76.8,21.76 76.8,21.68
  Top w0.6: v1(75.74,20.7) C2805.1 ; v1(75.55,18.85) 75.55,17.45 75.14,17.03 70.69,17.03 C2803.1 70.4,16.5 v1(70.8,16.1)
  Bottom w0.4: v1(71.71,13.97) 71.71,14.2 71.8,14.29
  Bottom w0.6: 75.6,18.9 75.6,18.9 75.6,20.56 v1(75.74,20.7) ; v1(70.8,16.1) 71.7,15.2 71.7,14.39
Net-(U2802-PR1): length 2.2
  Top w0.2: 70.8,15.28 70.69,15.17 R2807.2 70.69,13.81 70.8,13.7 U2802.4
Net-(U2802-VIN2): length 9.8
  Top w0.2: 69.5,10.7 70.98,10.7 C2802.1 ; C2802.1 71.55,10.63 71.55,10.8 71.3,11.05 U2802.6 ; C2802.1 U2802.6 ; 70.6,10.38 71.3,11.08 U2802.6
  Top w1: C2802.1 69.82,10.38 69.1,11.1 F2802.2
Net-(U2803-Vin-): length 39.3
  Top w0.2: v1(70.15,34.65) 70.2,34.6 70.2,33.4 v1(70.2,33.4) ; 73.16,33.96 73.16,34.4 73.16,34.14 ; U2803.9 72,33.19 73.11,34.3 R2813.2 73.31,34.51 73.7,34.9 73.9,34.7 73.9,34.3
  Top w0.4: 77.92,35.39 78.08,35.55 78.11,35.55 ; 77.92,35.39 78.45,35.39 ; 77.92,35.39 77.33,34.8 77.87,34.8 ; C2807.1 77.87,34.44 77.87,34.8 ; 76.95,33.92 77.05,33.82 ; 78.45,35.39 77.87,34.8 ; 78.45,35.39 78.96,35.89 U2805.12_13 78.11,35.55 ; 78.11,35.55 76.95,35.55 ; v1(67.8,46.5) R2814.2
  Top w0.8: R2813.2 73.71,33.9 C2808.1 ; C2808.1 76.3,33.9 ; C2808.1 74.9,34.3 73.9,34.3 ; 76.3,33.9 C2807.1 77.33,35.12 C2810.1 76.9,34.5 76.3,33.9
  Bottom w0.2: v1(70.2,33.4) 70.41,33.18 72.09,33.18 v1(72.12,33.21)
  Bottom w0.4: v1(70.15,34.65) 70.15,34.75 69.6,35.3 69.6,41.74 67.8,43.54 v1(67.8,46.5)
Net-(U2804-Vbus): length 8.7
  Top w0.2: 69.91,23.54 69.91,24.29 69.64,24.56 69.18,24.56 68.91,24.29 68.91,21.47 R2817.2
  Top w0.8: 71.3,19 70.6,19 69.19,20.41 R2817.2
Net-(U2805-FB): length 2.4
  Top w0.2: R2820.1 78.85,40.34 R2819.2 80.21,39.86 U2805.5
Net-(U2805-L1): length 18.2
  Top w0.2: U2805.11 78.4,37.3 77.9,36.8 ; U2805.11 78.67,37.3 77.9,36.53 v1(77.9,36.4) 77.9,36.8 ; U2805.11 78.1,37.3 v1(77.9,37.1) 77.9,36.8
  Bottom w0.8: v1(77.9,37.1) 74.5,37.1 74,36.6 71.8,36.6 71.1,35.9 v1(74,35.9) 74.5,36.4 v1(77.9,36.4)
  vias: v1(72,35.9) v1(73,35.9)
Net-(U2805-L2): length 18.2
  Top w0.2: U2805.9 78.5,38.3 77.9,38.9 ; U2805.9 78.67,38.3 77.9,39.07 v1(77.9,39.2) 77.9,38.9 ; U2805.9 78.1,38.3 v1(77.9,38.5) 77.9,38.9
  Bottom w0.8: v1(77.9,38.5) 74.5,38.5 74,39 71.8,39 71.1,39.7 74.4,39.7 74.9,39.2 v1(77.9,39.2)
  vias: v1(72,39.7) v1(73,39.7) v1(74,39.7)
Net-(U2805-PG): length 5.2
  Top w0.2: v1(81.6,37.1) 81.15,37.55 U2805.2 ; v1(81.6,40.1) 81,40.1 R2818.2
  Bottom w0.2: v1(81.6,37.1) v1(81.6,40.1)
Net-(U2805-VAUX): length 1.1
  Top w0.2: U2805.3 81.59,38.05 C2811.1
Net-(U3101-SDO1): length 5.9
  Top w0.2: R3101.1 85.61,36.1 85.61,35.36 ; v1(86.9,36.14) 87.96,36.14 88.11,35.99 88.11,35.36
  Bottom w0.2: v1(86.9,36.14) 85.56,36.14 v1(84.9,36.8)
Net-(U3102-C1): length 1.3
  Top w0.2: U3102.10 92.15,36.47 C3106.1
Net-(U3102-SETC): length 2.9
  Top w0.2: C3105.1 91.15,37.07 U3102.12
Net-(U3102-STEP): length 3.2
  Top w0.2: 93.22,34.75 93.22,35.85 92.99,36.09 92.99,37.77 C3105.2
Net-(USB201-CC1): length 2.2
  Top w0.2: USB201.A5 51.08,107.83 50.9,107.64 50.9,107.5 50.44,107.05 50.44,106.78
Net-(USB201-CC2): length 1.8
  Top w0.2: 50.44,110.17 51.09,110.83 USB201.B5
Net-(USB901-CC1): length 3.6
  Top w0.2: USB901.A5 71.7,89.38 72.1,89.78 72.1,90.69 72.91,91.5 R903.1
Net-(USB901-CC2): length 2.4
  Top w0.2: R904.1 72.38,86.77 72,86.38 USB901.B5
Net-(USB1801-CC1): length 1.7
  Top w0.3: 49.64,32.15 50.14,32.65 USB1801.A5
Net-(USB1801-CC2): length 1.6
  Top w0.3: 51.14,35.65 49.97,35.65 R1802.1
Net-(USB2101-CC1): length 1.8
  Top w0.3: 49.58,44.76 50.17,45.35 USB2101.A5
Net-(USB2101-CC2): length 1.6
  Top w0.3: USB2101.B5 49.55,48.35 R2102.1
Net-(USB2301-CC1): length 2.9
  Top w0.2: R2301.1 82.52,50.07 81.55,51.04 USB2301.A5
Net-(USB2301-CC2): length 2.1
  Top w0.2: USB2301.B5 78.55,51.04 78.9,50.69 R2302.1
unconnected-(U1801-EXTINT-Pad4): length 0.9
  Bottom w0.2: 21.68,2.4 21.68,3.29

## Copper pours and planes (outline as drawn; the poured copper is in the pictures)
GND on Top: -0.03,122.92 -0.38,62.65 60.59,62.55 60.69,123.35 -0.03,123.45
GND on Top, Bottom: -0.98,60.74 -0.75,-1.11 60.94,-0.96 60.86,60.74
GND on Top, Bottom: 61.43,61.22 135.43,61.72 135.43,123.72 61.74,123.88
GND on Top, Bottom: 61.7,61 61.7,-2.5 124.6,-2.5 124.9,-2.2 124.9,60.8 124.7,61
GND on Bottom: -0.23,123.47 -0.5,62.5 60.92,62.58 60.57,123.3 -0.16,123.85

## Text on the board
B.Silkscreen: CANH/CANL/VDD/GND | +  - | Heat/Temp/GND | CAN1 | CAN2
User.Drawings: VDD | LiPo | HT | BU
F.Silkscreen: VDD | Backup | Heater | Ext Switch | RESET | Lipo | USB P | CHARGE | Buckup | Boot | Potentiometer | PowerOnLED | Charge | GND/VDD/CANL/CANH | STAT | ERROR | Error | OFF | ON | USB / Power | charge | usb | AVDD/GND/INN/INP | Reset | created by WOBC | 2024 Rockoon MissionBusModule | Created by WOBC | 2024Rockoon / Mission_RCSModule | Switch | LiPo | LoadCell 2 | LoadCell 1 | Tank / Pressure | Thrust / Pressure | Valve / Batt | Valve1 | Valve2 | LoRa / ANT | GPS / ANT | WASA RocketPro. Rockoon GS 2 | 2024_Rockoon / TrackerModule 2 | CAN1 | Battery | CAN2
